# KiCad board LI_ION_charger_5Vout.kicad_pcb (continued)
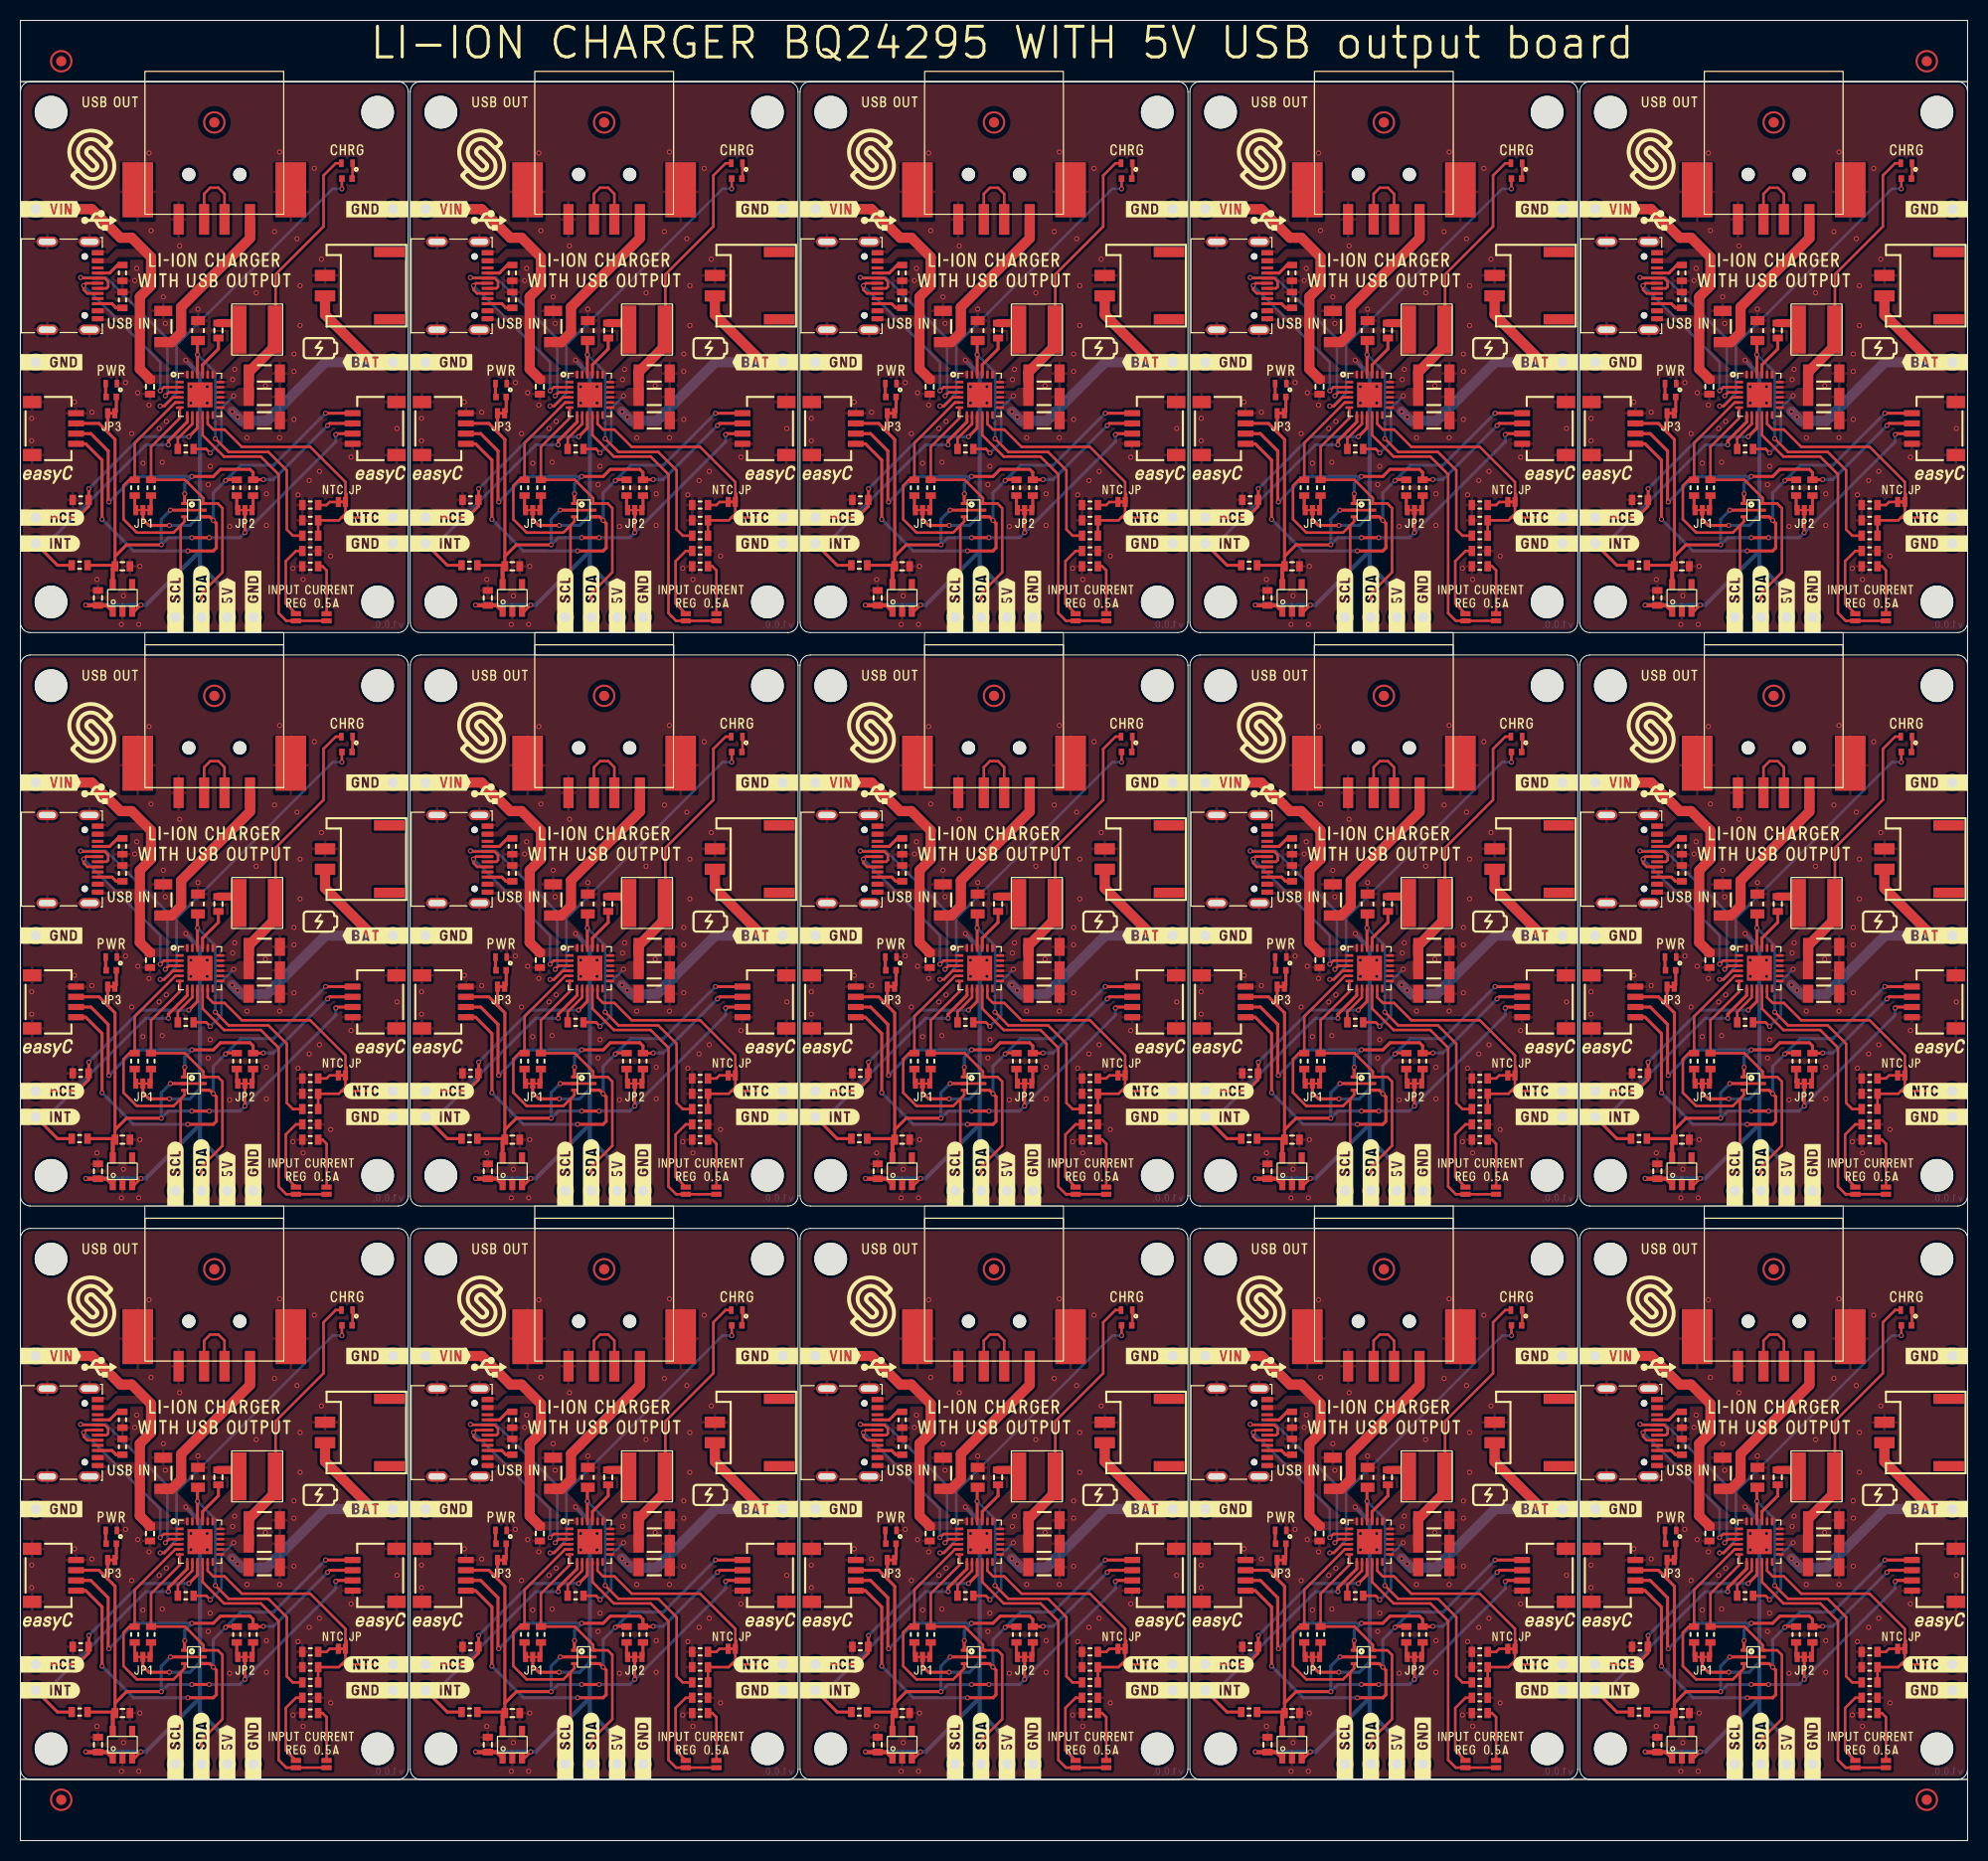
[diagram p0: board, top side]
## Routing (per net, layer and track width the routed paths; a pad name or vN(x,y) marks a point on that pad's centre or on a via; arc(x,y) is an arc through that point) (continued)
  Bottom w0.3: v1(54.6,126.4) 49.3,126.4 v1(46.2,129.5) ; v1(131,126.4) 125.7,126.4 v1(122.6,129.5) ; v1(144.5,27.5) 139.4,22.4 136.2,22.4 v1(134.7,20.9) 133.5,19.7 v1(133.5,17) ; v1(144.5,83.7) 139.4,78.6 136.2,78.6 v1(134.7,77.1) 133.5,75.9 v1(133.5,73.2) ; v1(169.2,70.2) 163.9,70.2 v1(160.8,73.3) ; v1(84.4,129.5) 87.5,126.4 v1(92.8,126.4) ; v1(57.1,129.4) 57.1,132.1 v1(58.3,133.3) 59.8,134.8 63,134.8 v1(68.1,139.9) ; v1(169.2,126.4) 163.9,126.4 v1(160.8,129.5) ; v1(8,73.3) 11.1,70.2 v1(16.4,70.2) ; v1(29.9,139.9) 24.8,134.8 21.6,134.8 v1(20.1,133.3) 18.9,132.1 v1(18.9,129.4) ; v1(92.8,14) 87.5,14 v1(84.4,17.1) ; v1(131,70.2) 125.7,70.2 v1(122.6,73.3) ; v1(57.1,17) 57.1,19.7 v1(58.3,20.9) 59.8,22.4 63,22.4 v1(68.1,27.5) ; v1(106.3,83.7) 101.2,78.6 98,78.6 v1(96.5,77.1) 95.3,75.9 v1(95.3,73.2) ; v1(16.4,14) 11.1,14 v1(8,17.1) ; v1(68.1,83.7) 63,78.6 59.8,78.6 v1(58.3,77.1) 57.1,75.9 v1(57.1,73.2) ; v1(122.6,17.1) 125.7,14 v1(131,14) ; v1(84.4,73.3) 87.5,70.2 v1(92.8,70.2) ; v1(29.9,27.5) 24.8,22.4 21.6,22.4 v1(20.1,20.9) 18.9,19.7 v1(18.9,17) ; v1(95.3,129.4) 95.3,132.1 v1(96.5,133.3) 98,134.8 101.2,134.8 v1(106.3,139.9) ; v1(144.5,139.9) 139.4,134.8 136.2,134.8 v1(134.7,133.3) 133.5,132.1 v1(133.5,129.4) ; v1(182.7,139.9) 177.6,134.8 174.4,134.8 v1(172.9,133.3) 171.7,132.1 v1(171.7,129.4) ; v1(46.2,73.3) 49.3,70.2 v1(54.6,70.2) ; v1(29.9,83.7) 24.8,78.6 21.6,78.6 v1(20.1,77.1) 18.9,75.9 v1(18.9,73.2) ; v1(171.7,73.2) 171.7,75.9 v1(172.9,77.1) 174.4,78.6 177.6,78.6 v1(182.7,83.7) ; v1(171.7,17) 171.7,19.7 v1(172.9,20.9) 174.4,22.4 177.6,22.4 v1(182.7,27.5) ; v1(160.8,17.1) 163.9,14 v1(169.2,14) ; v1(46.2,17.1) 49.3,14 v1(54.6,14) ; v1(106.3,27.5) 101.2,22.4 98,22.4 v1(96.5,20.9) 95.3,19.7 v1(95.3,17) ; v1(8,129.5) 11.1,126.4 v1(16.4,126.4)
SCL5: length 464.2
  Top w0.254: K6#8.4 92.1,8.01 92.1,16.5 ; U2#13.5 129.77,28.55 125.8,24.58 R3#5.2 125.28,20.97 124.7,20.4 124.7,17.1 126,15.8 129.6,15.8 130.68,16.88 U1#4.3 ; 92.1,128.9 92.1,120.41 K6#14.4 ; K6#13.4 92.1,64.21 92.1,72.7 ; U1#7.3 16.08,73.08 15,72 11.4,72 10.1,73.3 10.1,76.6 10.67,77.17 R3#6.2 11.2,80.78 15.17,84.75 U2#15.5 ; U2#9.5 167.97,84.75 164,80.78 R3#11.2 163.47,77.17 162.9,76.6 162.9,73.3 164.2,72 167.8,72 168.88,73.08 U1#3.3 ; U1#5.3 130.68,129.28 129.6,128.2 126,128.2 124.7,129.5 124.7,132.8 125.28,133.37 R3.2 125.8,136.98 129.77,140.95 U2#4.5 ; U2#5.5 15.17,140.95 11.2,136.98 R3#7.2 10.67,133.37 10.1,132.8 10.1,129.5 11.4,128.2 15,128.2 16.08,129.28 U1#8.3 ; U1#13.3 168.88,16.88 167.8,15.8 164.2,15.8 162.9,17.1 162.9,20.4 163.47,20.97 R3#14.2 164,24.58 167.97,28.55 U2#11.5 ; 168.5,16.5 168.5,8.01 K6#4.4 ; K6#6.4 168.5,120.41 168.5,128.9 ; U2#10.5 53.37,28.55 49.4,24.58 R3#8.2 48.88,20.97 48.3,20.4 48.3,17.1 49.6,15.8 53.2,15.8 54.28,16.88 U1#15.3 ; K6#2.4 15.7,120.41 15.7,128.9 ; U2#6.5 91.57,28.55 87.6,24.58 R3#10.2 87.07,20.97 86.5,20.4 86.5,17.1 87.8,15.8 91.4,15.8 92.48,16.88 U1#14.3 ; U1#11.3 130.68,73.08 129.6,72 126,72 124.7,73.3 124.7,76.6 125.28,77.17 R3#15.2 125.8,80.78 129.77,84.75 U2#12.5 ; U2#8.5 91.57,84.75 87.6,80.78 R3#2.2 87.07,77.17 86.5,76.6 86.5,73.3 87.8,72 91.4,72 92.48,73.08 U1.3 ; K6#7.4 53.9,64.21 53.9,72.7 ; U2.5 167.97,140.95 164,136.98 R3#9.2 163.47,133.37 162.9,132.8 162.9,129.5 164.2,128.2 167.8,128.2 168.88,129.28 U1#9.3 ; U1#6.3 92.48,129.28 91.4,128.2 87.8,128.2 86.5,129.5 86.5,132.8 87.07,133.37 R3#13.2 87.6,136.98 91.57,140.95 U2#7.5 ; 168.5,72.7 168.5,64.21 K6#3.4 ; K6.4 15.7,8.01 15.7,16.5 ; 130.3,128.9 130.3,120.41 K6#10.4 ; K6#5.4 53.9,120.41 53.9,128.9 ; 130.3,72.7 130.3,64.21 K6#11.4 ; U1#10.3 54.28,129.28 53.2,128.2 49.6,128.2 48.3,129.5 48.3,132.8 48.88,133.37 R3#4.2 49.4,136.98 53.37,140.95 U2#14.5 ; U1#2.3 16.08,16.88 15,15.8 11.4,15.8 10.1,17.1 10.1,20.4 10.67,20.97 R3#3.2 11.2,24.58 15.17,28.55 U2#2.5 ; U2#3.5 53.37,84.75 49.4,80.78 R3#12.2 48.88,77.17 48.3,76.6 48.3,73.3 49.6,72 53.2,72 54.28,73.08 U1#12.3 ; K6#9.4 130.3,8.01 130.3,16.5 ; K6#12.4 53.9,8.01 53.9,16.5 ; K6#15.4 15.7,64.21 15.7,72.7
SCL_PULL3,3: length 22
  Top w0.3: R7#12.2 135.8,130.5 JP3#9.1 ; R7#15.2 135.8,74.3 JP3#11.1 ; R7#8.2 97.6,74.3 JP3.1 ; JP3#5.1 97.6,130.5 R7#5.2 ; JP3#10.1 97.6,18.1 R7#11.2 ; R7#4.2 135.8,18.1 JP3#15.1 ; JP3#14.1 21.2,74.3 R7#7.2 ; R7#3.2 59.4,74.3 JP3#6.1 ; R7#6.2 59.4,130.5 JP3#12.1 ; R7.2 174,130.5 JP3#3.1 ; R7#2.2 21.2,130.5 JP3#2.1 ; JP3#4.1 21.2,18.1 R7#14.2 ; JP3#7.1 174,74.3 R7#10.2 ; JP3#8.1 59.4,18.1 R7#9.2 ; JP3#13.1 174,18.1 R7#13.2
SCL_PULL5: length 22
  Top w0.3: R3#9.1 164,130.5 JP1#7.1 ; R3#12.1 49.4,74.3 JP1#11.1 ; JP1#4.1 164,18.1 R3#14.1 ; JP1#3.1 11.2,130.5 R3#7.1 ; JP1.1 125.8,130.5 R3.1 ; R3#11.1 164,74.3 JP1#9.1 ; R3#13.1 87.6,130.5 JP1#10.1 ; JP1#13.1 11.2,18.1 R3#3.1 ; R3#5.1 125.8,18.1 JP1#6.1 ; JP1#12.1 87.6,74.3 R3#2.1 ; JP1#5.1 49.4,18.1 R3#8.1 ; JP1#14.1 11.2,74.3 R3#6.1 ; R3#15.1 125.8,74.3 JP1#8.1 ; R3#4.1 49.4,130.5 JP1#2.1 ; JP1#15.1 87.6,18.1 R3#10.1
SDA3,3: length 607.1
  Top w0.3: v1(144.7,82.5) 144.9,82.7 147.45,82.7 ; U1#9.1 168.88,131.98 v1(168.9,132) ; v1(100.2,21) 100.18,20.97 R2#2.2 99.2,21.7 98.9,22 96,22 95.3,21.3 v1(93.2,21.3) ; 32.85,82.7 30.3,82.7 v1(30.1,82.5) ; K11#8.2 159.7,81.7 161.4,80 161.4,75.07 v1(161.47,75) ; v1(23.8,21) 23.78,20.97 R2#14.2 22.8,21.7 22.5,22 19.6,22 18.9,21.3 v1(16.8,21.3) ; v1(92.5,75.8) 92.48,75.78 U1.1 ; U1#12.1 54.28,75.78 v1(54.3,75.8) ; K11#12.2 45.1,25.5 46.8,23.8 46.8,18.87 v1(46.87,18.8) ; v1(92.5,19.6) 92.48,19.58 U1#14.1 ; v1(123.27,18.8) 123.2,18.87 123.2,23.8 121.5,25.5 K11#14.2 ; v1(106.5,138.7) 106.7,138.9 109.25,138.9 ; K11#3.2 83.3,25.5 85,23.8 85,18.87 v1(85.07,18.8) ; U1#3.1 168.88,75.78 v1(168.9,75.8) ; v1(182.9,138.7) 183.1,138.9 185.65,138.9 ; 71.05,82.7 68.5,82.7 v1(68.3,82.5) ; 109.25,82.7 106.7,82.7 v1(106.5,82.5) ; v1(68.3,26.3) 68.5,26.5 71.05,26.5 ; v1(93.2,133.7) 95.3,133.7 96,134.4 98.9,134.4 99.2,134.1 R2#11.2 100.18,133.37 v1(100.2,133.4) ; K11#6.2 6.9,25.5 8.6,23.8 8.6,18.87 v1(8.67,18.8) ; U1#4.1 130.68,19.58 v1(130.7,19.6) ; 32.85,26.5 30.3,26.5 v1(30.1,26.3) ; 32.85,138.9 30.3,138.9 v1(30.1,138.7) ; v1(16.1,75.8) 16.08,75.78 U1#7.1 ; v1(138.4,21) 138.38,20.97 R2#6.2 137.4,21.7 137.1,22 134.2,22 133.5,21.3 v1(131.4,21.3) ; v1(138.4,77.2) 138.38,77.17 R2#4.2 137.4,77.9 137.1,78.2 134.2,78.2 133.5,77.5 v1(131.4,77.5) ; U1#5.1 130.68,131.98 v1(130.7,132) ; v1(16.8,77.5) 18.9,77.5 19.6,78.2 22.5,78.2 22.8,77.9 R2#3.2 23.78,77.17 v1(23.8,77.2) ; K11#4.2 83.3,81.7 85,80 85,75.07 v1(85.07,75) ; K11#5.2 6.9,137.9 8.6,136.2 8.6,131.27 v1(8.67,131.2) ; v1(182.9,82.5) 183.1,82.7 185.65,82.7 ; U1#6.1 92.48,131.98 v1(92.5,132) ; v1(106.5,26.3) 106.7,26.5 109.25,26.5 ; v1(55,77.5) 57.1,77.5 57.8,78.2 60.7,78.2 61,77.9 R2#15.2 61.97,77.17 v1(62,77.2) ; v1(16.1,19.6) 16.08,19.58 U1#2.1 ; K11#13.2 159.7,25.5 161.4,23.8 161.4,18.87 v1(161.47,18.8) ; v1(130.7,75.8) 130.68,75.78 U1#11.1 ; K11.2 45.1,81.7 46.8,80 46.8,75.07 v1(46.87,75) ; v1(176.6,77.2) 176.57,77.17 R2#13.2 175.6,77.9 175.3,78.2 172.4,78.2 171.7,77.5 v1(169.6,77.5) ; v1(46.87,131.2) 46.8,131.27 46.8,136.2 45.1,137.9 K11#11.2 ; v1(85.07,131.2) 85,131.27 85,136.2 83.3,137.9 K11#10.2 ; v1(62,21) 61.97,20.97 R2#8.2 61,21.7 60.7,22 57.8,22 57.1,21.3 v1(55,21.3) ; v1(144.7,26.3) 144.9,26.5 147.45,26.5 ; v1(8.67,75) 8.6,75.07 8.6,80 6.9,81.7 K11#7.2 ; v1(169.6,21.3) 171.7,21.3 172.4,22 175.3,22 175.6,21.7 R2#5.2 176.57,20.97 v1(176.6,21) ; v1(55,133.7) 57.1,133.7 57.8,134.4 60.7,134.4 61,134.1 R2#9.2 61.97,133.37 v1(62,133.4) ; U1#8.1 16.08,131.98 v1(16.1,132) ; v1(176.6,133.4) 176.57,133.37 R2#12.2 175.6,134.1 175.3,134.4 172.4,134.4 171.7,133.7 v1(169.6,133.7) ; v1(93.2,77.5) 95.3,77.5 96,78.2 98.9,78.2 99.2,77.9 R2#7.2 100.18,77.17 v1(100.2,77.2) ; 147.45,138.9 144.9,138.9 v1(144.7,138.7) ; v1(168.9,19.6) 168.88,19.58 U1#13.1 ; v1(123.27,75) 123.2,75.07 123.2,80 121.5,81.7 K11#9.2 ; v1(182.9,26.3) 183.1,26.5 185.65,26.5 ; v1(68.3,138.7) 68.5,138.9 71.05,138.9 ; v1(131.4,133.7) 133.5,133.7 134.2,134.4 137.1,134.4 137.4,134.1 R2#10.2 138.38,133.37 v1(138.4,133.4) ; v1(54.3,132) 54.28,131.98 U1#10.1 ; v1(123.27,131.2) 123.2,131.27 123.2,136.2 121.5,137.9 K11#2.2 ; v1(23.8,133.4) 23.78,133.37 R2.2 22.8,134.1 22.5,134.4 19.6,134.4 18.9,133.7 v1(16.8,133.7) ; v1(54.3,19.6) 54.28,19.58 U1#15.1 ; K11#15.2 159.7,137.9 161.4,136.2 161.4,131.27 v1(161.47,131.2)
  Bottom w0.3: v1(68.3,26.3) 63,21 v1(62,21) ; v1(62,133.4) 63,133.4 v1(68.3,138.7) ; v1(176.6,21) 177.6,21 v1(182.9,26.3) ; v1(23.8,133.4) 24.8,133.4 v1(30.1,138.7) ; v1(23.8,21) 24.8,21 v1(30.1,26.3) ; v1(106.5,26.3) 101.2,21 v1(100.2,21) ; v1(130.7,75.8) 130.7,76.8 v1(131.4,77.5) 125.77,77.5 v1(123.27,75) ; v1(92.5,75.8) 92.5,76.8 v1(93.2,77.5) 87.57,77.5 v1(85.07,75) ; v1(30.1,82.5) 24.8,77.2 v1(23.8,77.2) ; v1(92.5,132) 92.5,133 v1(93.2,133.7) 87.57,133.7 v1(85.07,131.2) ; v1(68.3,82.5) 63,77.2 v1(62,77.2) ; v1(92.5,19.6) 92.5,20.6 v1(93.2,21.3) 87.57,21.3 v1(85.07,18.8) ; v1(54.3,19.6) 54.3,20.6 v1(55,21.3) 49.37,21.3 v1(46.87,18.8) ; v1(54.3,75.8) 54.3,76.8 v1(55,77.5) 49.37,77.5 v1(46.87,75) ; v1(144.7,138.7) 139.4,133.4 v1(138.4,133.4) ; v1(100.2,133.4) 101.2,133.4 v1(106.5,138.7) ; v1(16.1,132) 16.1,133 v1(16.8,133.7) 11.17,133.7 v1(8.67,131.2) ; v1(130.7,19.6) 130.7,20.6 v1(131.4,21.3) 125.77,21.3 v1(123.27,18.8) ; v1(161.47,131.2) 163.97,133.7 v1(169.6,133.7) 168.9,133 v1(168.9,132) ; v1(176.6,77.2) 177.6,77.2 v1(182.9,82.5) ; v1(138.4,21) 139.4,21 v1(144.7,26.3) ; v1(138.4,77.2) 139.4,77.2 v1(144.7,82.5) ; v1(106.5,82.5) 101.2,77.2 v1(100.2,77.2) ; v1(168.9,75.8) 168.9,76.8 v1(169.6,77.5) 163.97,77.5 v1(161.47,75) ; v1(176.6,133.4) 177.6,133.4 v1(182.9,138.7) ; v1(130.7,132) 130.7,133 v1(131.4,133.7) 125.77,133.7 v1(123.27,131.2) ; v1(16.1,75.8) 16.1,76.8 v1(16.8,77.5) 11.17,77.5 v1(8.67,75) ; v1(54.3,132) 54.3,133 v1(55,133.7) 49.37,133.7 v1(46.87,131.2) ; v1(161.47,18.8) 163.97,21.3 v1(169.6,21.3) 168.9,20.6 v1(168.9,19.6) ; v1(16.1,19.6) 16.1,20.6 v1(16.8,21.3) 11.17,21.3 v1(8.67,18.8)
SDA5: length 423.9
  Top w0.254: U2#8.6 92.01,83.21 89.2,80.4 R6#7.1 92.53,77.17 94.32,75.38 U1.6 95.75,74.85 96.2,74.4 96.2,68.1 94.13,66.03 K6#13.3 ; U2#3.6 53.81,83.21 51,80.4 R6#6.1 54.32,77.17 56.12,75.38 U1#12.6 57.55,74.85 58,74.4 58,68.1 55.93,66.03 K6#7.3 ; K6#3.3 170.53,66.03 172.6,68.1 172.6,74.4 172.15,74.85 U1#3.6 170.72,75.38 168.93,77.17 R6#15.1 165.6,80.4 168.41,83.21 U2#9.6 ; U2#4.6 130.21,139.41 127.4,136.6 R6#2.1 130.72,133.37 132.52,131.58 U1#5.6 133.95,131.05 134.4,130.6 134.4,124.3 132.33,122.23 K6#10.3 ; K6#6.3 170.53,122.23 172.6,124.3 172.6,130.6 172.15,131.05 U1#9.6 170.72,131.58 168.93,133.37 R6#13.1 165.6,136.6 168.41,139.41 U2.6 ; U2#11.6 168.41,27.01 165.6,24.2 R6#11.1 168.93,20.97 170.72,19.18 U1#13.6 172.15,18.65 172.6,18.2 172.6,11.9 170.53,9.83 K6#4.3 ; K6#2.3 17.73,122.23 19.8,124.3 19.8,130.6 19.35,131.05 U1#8.6 17.92,131.58 16.12,133.37 R6#12.1 12.8,136.6 15.61,139.41 U2#5.6 ; U2#15.6 15.61,83.21 12.8,80.4 R6#8.1 16.12,77.17 17.92,75.38 U1#7.6 19.35,74.85 19.8,74.4 19.8,68.1 17.73,66.03 K6#15.3 ; U2#10.6 53.81,27.01 51,24.2 R6#9.1 54.32,20.97 56.12,19.18 U1#15.6 57.55,18.65 58,18.2 58,11.9 55.93,9.83 K6#12.3 ; K6#8.3 94.13,9.83 96.2,11.9 96.2,18.2 95.75,18.65 U1#14.6 94.32,19.18 92.53,20.97 R6.1 89.2,24.2 92.01,27.01 U2#6.6 ; U2#13.6 130.21,27.01 127.4,24.2 R6#14.1 130.72,20.97 132.52,19.18 U1#4.6 133.95,18.65 134.4,18.2 134.4,11.9 132.33,9.83 K6#9.3 ; U2#7.6 92.01,139.41 89.2,136.6 R6#10.1 92.53,133.37 94.32,131.58 U1#6.6 95.75,131.05 96.2,130.6 96.2,124.3 94.13,122.23 K6#14.3 ; K6#5.3 55.93,122.23 58,124.3 58,130.6 57.55,131.05 U1#10.6 56.12,131.58 54.32,133.37 R6#4.1 51,136.6 53.81,139.41 U2#14.6 ; U2#2.6 15.61,27.01 12.8,24.2 R6#5.1 16.12,20.97 17.92,19.18 U1#2.6 19.35,18.65 19.8,18.2 19.8,11.9 17.73,9.83 K6.3 ; K6#11.3 132.33,66.03 134.4,68.1 134.4,74.4 133.95,74.85 U1#11.6 132.52,75.38 130.72,77.17 R6#3.1 127.4,80.4 130.21,83.21 U2#12.6
SDA_PULL3,3: length 22
  Top w0.3: R2#7.1 99.2,74.3 JP3.3 ; R2#8.1 61,18.1 JP3#8.3 ; JP3#3.3 175.6,130.5 R2#12.1 ; JP3#10.3 99.2,18.1 R2#2.1 ; JP3#11.3 137.4,74.3 R2#4.1 ; JP3#5.3 99.2,130.5 R2#11.1 ; JP3#13.3 175.6,18.1 R2#5.1 ; R2#14.1 22.8,18.1 JP3#4.3 ; JP3#15.3 137.4,18.1 R2#6.1 ; JP3#14.3 22.8,74.3 R2#3.1 ; R2#15.1 61,74.3 JP3#6.3 ; JP3#7.3 175.6,74.3 R2#13.1 ; JP3#9.3 137.4,130.5 R2#10.1 ; R2.1 22.8,130.5 JP3#2.3 ; JP3#12.3 61,130.5 R2#9.1
SDA_PULL5: length 22
  Top w0.3: JP1#13.3 12.8,18.1 R6#5.2 ; R6#14.2 127.4,18.1 JP1#6.3 ; JP1#3.3 12.8,130.5 R6#12.2 ; R6#9.2 51,18.1 JP1#5.3 ; JP1#2.3 51,130.5 R6#4.2 ; JP1#15.3 89.2,18.1 R6.2 ; JP1#4.3 165.6,18.1 R6#11.2 ; JP1#9.3 165.6,74.3 R6#15.2 ; JP1#10.3 89.2,130.5 R6#10.2 ; JP1#12.3 89.2,74.3 R6#7.2 ; JP1.3 127.4,130.5 R6#2.2 ; R6#3.2 127.4,74.3 JP1#8.3 ; JP1#11.3 51,74.3 R6#6.2 ; R6#13.2 165.6,130.5 JP1#7.3 ; JP1#14.3 12.8,74.3 R6#8.2
STAT: length 489.7
  Top w0.254: v1(107.9,49.5) R11#2.2 ; U2#8.4 91.35,85.25 90.5,84.4 v1(90.1,84.4) ; v1(128.3,140.6) 128.7,140.6 129.55,141.45 U2#4.4 ; v1(31.5,49.5) R11#4.2 ; v1(128.3,28.2) 128.7,28.2 129.55,29.05 U2#13.4 ; U2#12.4 129.55,85.25 128.7,84.4 v1(128.3,84.4) ; U2.4 167.75,141.45 166.9,140.6 v1(166.5,140.6) ; U2#2.4 14.95,29.05 14.1,28.2 v1(13.7,28.2) ; v1(184.3,161.9) R11#6.2 ; U2#11.4 167.75,29.05 166.9,28.2 v1(166.5,28.2) ; v1(146.1,105.7) R11#8.2 ; v1(13.7,84.4) 14.1,84.4 14.95,85.25 U2#15.4 ; U2#7.4 91.35,141.45 90.5,140.6 v1(90.1,140.6) ; v1(31.5,161.9) R11#7.2 ; U2#6.4 91.35,29.05 90.5,28.2 v1(90.1,28.2) ; U2#5.4 14.95,141.45 14.1,140.6 v1(13.7,140.6) ; v1(69.7,49.5) R11#13.2 ; v1(166.5,84.4) 166.9,84.4 167.75,85.25 U2#9.4 ; v1(107.9,105.7) R11#11.2 ; v1(146.1,161.9) R11.2 ; v1(184.3,49.5) R11#15.2 ; U2#14.4 53.15,141.45 52.3,140.6 v1(51.9,140.6) ; U2#10.4 53.15,29.05 52.3,28.2 v1(51.9,28.2) ; v1(184.3,105.7) R11#10.2 ; v1(31.5,105.7) R11#3.2 ; v1(69.7,161.9) R11#14.2 ; v1(69.7,105.7) R11#5.2 ; U2#3.4 53.15,85.25 52.3,84.4 v1(51.9,84.4) ; v1(107.9,161.9) R11#9.2 ; v1(146.1,49.5) R11#12.2
  Bottom w0.254: v1(166.5,140.6) 166.82,140.6 168.1,141.88 168.1,146.6 183.4,161.9 v1(184.3,161.9) ; v1(31.5,161.9) 30.6,161.9 15.3,146.6 15.3,141.88 14.02,140.6 v1(13.7,140.6) ; v1(146.1,49.5) 145.2,49.5 129.9,34.2 129.9,29.48 128.62,28.2 v1(128.3,28.2) ; v1(31.5,105.7) 30.6,105.7 15.3,90.4 15.3,85.68 14.02,84.4 v1(13.7,84.4) ; v1(166.5,84.4) 166.82,84.4 168.1,85.68 168.1,90.4 183.4,105.7 v1(184.3,105.7) ; v1(184.3,49.5) 183.4,49.5 168.1,34.2 168.1,29.48 166.82,28.2 v1(166.5,28.2) ; v1(128.3,140.6) 128.62,140.6 129.9,141.88 129.9,146.6 145.2,161.9 v1(146.1,161.9) ; v1(69.7,161.9) 68.8,161.9 53.5,146.6 53.5,141.88 52.22,140.6 v1(51.9,140.6) ; v1(69.7,49.5) 68.8,49.5 53.5,34.2 53.5,29.48 52.22,28.2 v1(51.9,28.2) ; v1(128.3,84.4) 128.62,84.4 129.9,85.68 129.9,90.4 145.2,105.7 v1(146.1,105.7) ; v1(31.5,49.5) 30.6,49.5 15.3,34.2 15.3,29.48 14.02,28.2 v1(13.7,28.2) ; v1(107.9,161.9) 107,161.9 91.7,146.6 91.7,141.88 90.42,140.6 v1(90.1,140.6) ; v1(51.9,84.4) 52.22,84.4 53.5,85.68 53.5,90.4 68.8,105.7 v1(69.7,105.7) ; v1(90.1,28.2) 90.42,28.2 91.7,29.48 91.7,34.2 107,49.5 v1(107.9,49.5) ; v1(107.9,105.7) 107,105.7 91.7,90.4 91.7,85.68 90.42,84.4 v1(90.1,84.4)
SYS: length 529.9
  Top w0.254: R10#10.1 56.4,24 v1(56.8,23.6) ; L1#3.2 177.8,41.1 182.5,45.8 182.5,50.8 183.7,52 D1#4.1 ; L1#2.2 63.2,41.1 67.9,45.8 67.9,50.8 69.1,52 D1#3.1 ; D1#10.1 145.5,164.4 144.3,163.2 144.3,158.2 139.6,153.5 L1#13.2 ; D1#5.1 30.9,52 29.7,50.8 29.7,45.8 25,41.1 L1#12.2 ; R10#14.1 171,136.4 v1(171.4,136) ; L1#11.2 63.2,97.3 67.9,102 67.9,107 69.1,108.2 D1.1 ; D1#6.1 183.7,164.4 182.5,163.2 182.5,158.2 177.8,153.5 L1#9.2 ; L1.2 101.4,97.3 106.1,102 106.1,107 107.3,108.2 D1#14.1 ; L1#7.2 25,153.5 29.7,158.2 29.7,163.2 30.9,164.4 D1#8.1 ; R10#4.1 132.8,136.4 v1(133.2,136) ; D1#12.1 69.1,164.4 67.9,163.2 67.9,158.2 63.2,153.5 L1#8.2 ; v1(171.4,79.8) 171,80.2 R10#6.1 ; L1#5.2 25,97.3 29.7,102 29.7,107 30.9,108.2 D1#7.1 ; L1#4.2 101.4,153.5 106.1,158.2 106.1,163.2 107.3,164.4 D1#11.1 ; v1(95,136) 94.6,136.4 R10#3.1 ; D1#13.1 145.5,108.2 144.3,107 144.3,102 139.6,97.3 L1#10.2 ; D1#9.1 145.5,52 144.3,50.8 144.3,45.8 139.6,41.1 L1#15.2 ; v1(171.4,23.6) 171,24 R10#15.1 ; v1(133.2,79.8) 132.8,80.2 R10#13.1 ; R10#7.1 18.2,24 v1(18.6,23.6) ; R10#2.1 56.4,80.2 v1(56.8,79.8) ; R10#11.1 94.6,24 v1(95,23.6) ; v1(18.6,136) 18.2,136.4 R10#8.1 ; L1#6.2 177.8,97.3 182.5,102 182.5,107 183.7,108.2 D1#15.1 ; R10#12.1 132.8,24 v1(133.2,23.6) ; L1#14.2 101.4,41.1 106.1,45.8 106.1,50.8 107.3,52 D1#2.1 ; R10#9.1 94.6,80.2 v1(95,79.8) ; v1(56.8,136) 56.4,136.4 R10.1 ; v1(18.6,79.8) 18.2,80.2 R10#5.1
  Top w1: C7#9.2 C6#13.2 22.38,31.52 25,34.15 L1#12.2 ; C7#4.2 C6#6.2 22.38,87.72 25,90.35 L1#5.2 ; L1#11.2 63.2,90.35 60.57,87.72 C6#5.2 C7#2.2 ; L1#15.2 139.6,34.15 136.97,31.52 C6#14.2 C7#15.2 ; L1#4.2 101.4,146.55 98.78,143.92 C6#15.2 C7#12.2 ; L1#14.2 101.4,34.15 98.78,31.52 C6#9.2 C7#13.2 ; C7#5.2 C6#4.2 136.97,87.72 139.6,90.35 L1#10.2 ; L1#6.2 177.8,90.35 175.18,87.72 C6#8.2 C7#14.2 ; C7#3.2 C6#12.2 60.57,143.92 63.2,146.55 L1#8.2 ; L1#2.2 63.2,34.15 60.57,31.52 C6#7.2 C7#11.2 ; C7#8.2 C6.2 22.38,143.92 25,146.55 L1#7.2 ; C7#10.2 C6#10.2 98.78,87.72 101.4,90.35 L1.2 ; L1#13.2 139.6,146.55 136.97,143.92 C6#3.2 C7#6.2 ; L1#9.2 177.8,146.55 175.18,143.92 C6#2.2 C7.2 ; C7#7.2 C6#11.2 175.18,31.52 177.8,34.15 L1#3.2
  Bottom w0.254: v1(173.7,85.4) 172.5,84.2 172.5,80.9 v1(171.4,79.8) ; v1(18.6,23.6) 19.7,24.7 19.7,28 v1(20.9,29.2) ; v1(56.8,23.6) 57.9,24.7 57.9,28 v1(59.1,29.2) ; v1(133.2,23.6) 134.3,24.7 134.3,28 v1(135.5,29.2) ; v1(173.7,141.6) 172.5,140.4 172.5,137.1 v1(171.4,136) ; v1(97.3,29.2) 96.1,28 96.1,24.7 v1(95,23.6) ; v1(59.1,141.6) 57.9,140.4 57.9,137.1 v1(56.8,136) ; v1(18.6,79.8) 19.7,80.9 19.7,84.2 v1(20.9,85.4) ; v1(20.9,141.6) 19.7,140.4 19.7,137.1 v1(18.6,136) ; v1(95,136) 96.1,137.1 96.1,140.4 v1(97.3,141.6) ; v1(97.3,85.4) 96.1,84.2 96.1,80.9 v1(95,79.8) ; v1(135.5,85.4) 134.3,84.2 134.3,80.9 v1(133.2,79.8) ; v1(133.2,136) 134.3,137.1 134.3,140.4 v1(135.5,141.6) ; v1(171.4,23.6) 172.5,24.7 172.5,28 v1(173.7,29.2) ; v1(56.8,79.8) 57.9,80.9 57.9,84.2 v1(59.1,85.4)
TS: length 451.1
  Top w0.254: 146.45,75.2 146.45,76.95 143,80.4 136.3,80.4 134.6,82.1 133.5,82.1 132.95,82.65 U2#12.11 ; 69.65,17.25 70.05,17.65 JP2#10.1 ; 69.65,17.25 69.4,17 R4#2.1 R1#4.2 ; 69.65,17.25 69.67,17.27 K1.1 ; JP2#15.1 31.85,17.65 31.45,17.25 ; K1#2.1 146.07,73.47 146.05,73.45 ; 108.25,75.2 108.25,76.95 104.8,80.4 98.1,80.4 96.4,82.1 95.3,82.1 94.75,82.65 U2#8.11 ; JP2#11.1 146.45,17.65 146.05,17.25 ; 184.25,73.45 184.27,73.47 K1#14.1 ; 184.25,73.45 184.65,73.85 JP2#3.1 ; 184.25,73.45 184,73.2 181.98,73.2 181.98,71.7 ; U2#6.11 94.75,26.45 95.3,25.9 96.4,25.9 98.1,24.2 104.8,24.2 108.25,20.75 108.25,19 ; K1#7.1 69.67,73.47 69.65,73.45 ; 146.05,129.65 146.07,129.67 K1#3.1 ; 146.05,129.65 145.8,129.4 R4#5.1 R1#8.2 ; 146.05,129.65 146.45,130.05 JP2#13.1 ; 70.05,131.4 70.05,133.15 66.6,136.6 59.9,136.6 58.2,138.3 57.1,138.3 56.55,138.85 U2#14.11 ; 107.85,17.25 107.87,17.27 K1#15.1 ; 107.85,17.25 108.25,17.65 JP2#7.1 ; 107.85,17.25 107.6,17 R4#15.1 R1#2.2 ; R1#14.2 R4#6.1 145.8,17 146.05,17.25 ; 31.45,73.45 31.85,73.85 JP2#14.1 ; 31.45,73.45 31.2,73.2 R4#11.1 R1#3.2 ; 31.45,73.45 31.47,73.47 K1#11.1 ; U2#3.11 56.55,82.65 57.1,82.1 58.2,82.1 59.9,80.4 66.6,80.4 70.05,76.95 70.05,75.2 ; R1.2 R4#7.1 107.6,73.2 107.85,73.45 ; 69.65,73.45 70.05,73.85 JP2#9.1 ; 69.65,73.45 69.4,73.2 R4#12.1 R1#6.2 ; U2#11.11 171.15,26.45 171.7,25.9 172.8,25.9 174.5,24.2 181.2,24.2 184.65,20.75 184.65,19 ; 146.55,131.05 146.55,132 ; JP2#6.1 184.65,130.05 184.25,129.65 ; JP2.1 108.25,130.05 107.85,129.65 ; 184.75,74.85 184.75,75.8 ; 107.85,129.65 107.87,129.67 K1#10.1 ; 107.85,129.65 107.6,129.4 R4#13.1 R1#5.2 ; U2#4.11 132.95,138.85 133.5,138.3 134.6,138.3 136.3,136.6 143,136.6 146.45,133.15 146.45,131.4 ; 184.25,129.65 184,129.4 181.98,129.4 181.98,127.9 ; 184.25,129.65 184.27,129.67 K1#12.1 ; 31.45,17.25 31.2,17 R4#14.1 R1#12.2 ; 31.45,17.25 31.47,17.27 K1#6.1 ; 70.15,74.85 70.15,75.8 ; U2#5.11 18.35,138.85 18.9,138.3 20,138.3 21.7,136.6 28.4,136.6 31.85,133.15 31.85,131.4 ; 146.05,73.45 146.45,73.85 JP2#8.1 ; 146.05,73.45 145.8,73.2 R4#8.1 R1#11.2 ; JP2#12.1 70.05,130.05 69.65,129.65 ; R1#15.2 R4#3.1 31.2,129.4 31.45,129.65 ; U2.11 171.15,138.85 171.7,138.3 172.8,138.3 174.5,136.6 181.2,136.6 184.65,133.15 184.65,131.4 ; 31.95,131.05 31.95,132 ; 146.05,17.25 146.07,17.27 K1#8.1 ; K1#9.1 69.67,129.67 69.65,129.65 ; 31.95,18.65 31.95,19.6 ; U2#2.11 18.35,26.45 18.9,25.9 20,25.9 21.7,24.2 28.4,24.2 31.85,20.75 31.85,19 ; 31.45,129.65 31.47,129.67 K1#13.1 ; 31.45,129.65 31.85,130.05 JP2#2.1 ; 184.75,18.65 184.75,19.6 ; U2#13.11 132.95,26.45 133.5,25.9 134.6,25.9 136.3,24.2 143,24.2 146.45,20.75 146.45,19 ; U2#9.11 171.15,82.65 171.7,82.1 172.8,82.1 174.5,80.4 181.2,80.4 184.65,76.95 184.65,75.2 ; 70.15,18.65 70.15,19.6 ; 108.35,18.65 108.35,19.6 ; 146.55,18.65 146.55,19.6 ; 184.75,131.05 184.75,132 ; 181.98,15.5 181.98,17 184,17 184.25,17.25 ; 69.65,129.65 69.4,129.4 R4#4.1 R1#10.2 ; 108.25,131.4 108.25,133.15 104.8,136.6 98.1,136.6 96.4,138.3 95.3,138.3 94.75,138.85 U2#7.11 ; 107.85,73.45 108.25,73.85 JP2#5.1 ; 107.85,73.45 107.87,73.47 K1#5.1 ; 108.35,131.05 108.35,132 ; 184.25,17.25 184.27,17.27 K1#4.1 ; 184.25,17.25 184.65,17.65 JP2#4.1 ; U2#10.11 56.55,26.45 57.1,25.9 58.2,25.9 59.9,24.2 66.6,24.2 70.05,20.75 70.05,19 ; 31.85,75.2 31.85,76.95 28.4,80.4 21.7,80.4 20,82.1 18.9,82.1 18.35,82.65 U2#15.11 ; 146.55,74.85 146.55,75.8 ; 108.35,74.85 108.35,75.8 ; 70.15,131.05 70.15,132 ; 31.95,74.85 31.95,75.8
Net-(C4-Pad2): length 33.9
  Top w0.8: L1#2.1 58.97,36.33 C4#7.2 ; L1#15.1 135.37,36.33 C4#4.2 ; C4#15.2 97.17,92.53 L1.1 ; L1#9.1 173.57,148.73 C4#3.2 ; L1#13.1 135.37,148.73 C4#5.2 ; C4#8.2 58.97,148.73 L1#8.1 ; C4#14.2 97.17,148.73 L1#4.1 ; L1#14.1 97.17,36.33 C4#2.2 ; C4#11.2 173.57,36.33 L1#3.1 ; L1#7.1 20.77,148.73 C4#12.2 ; L1#12.1 20.77,36.33 C4.2 ; L1#11.1 58.97,92.53 C4#9.2 ; C4#6.2 20.77,92.53 L1#5.1 ; L1#6.1 173.57,92.53 C4#10.2 ; L1#10.1 135.37,92.53 C4#13.2
Net-(D1-Pad2): length 22.8
  Top w0.254: D1#9.2 147.15,50.55 R11#12.1 ; D1#3.2 70.75,50.55 R11#13.1 ; D1#7.2 32.55,106.75 R11#3.1 ; R11#11.1 108.95,106.75 D1#14.2 ; D1#4.2 185.35,50.55 R11#15.1 ; D1#2.2 108.95,50.55 R11#2.1 ; R11#4.1 32.55,50.55 D1#5.2 ; D1#11.2 108.95,162.95 R11#9.1 ; R11#6.1 185.35,162.95 D1#6.2 ; D1#15.2 185.35,106.75 R11#10.1 ; R11.1 147.15,162.95 D1#10.2 ; D1#8.2 32.55,162.95 R11#7.1 ; R11#5.1 70.75,106.75 D1.2 ; D1#12.2 70.75,162.95 R11#14.1 ; R11#8.1 147.15,106.75 D1#13.2
